# Altium PCB EVK-NORA-W40.PcbDoc (part 4 of 5)
Units mm, origin at the board's own origin, x right, y up, seen from the top; angles counter-clockwise.
Board outline 100 x 70 mm, 6 copper layers (L1, L2, L3, L4, L5, L6), stack 1.547 mm thick; 404 components, 228 nets, 1172 pads, 1349 vias.
Unrouted connection lines stored in the file: 69.
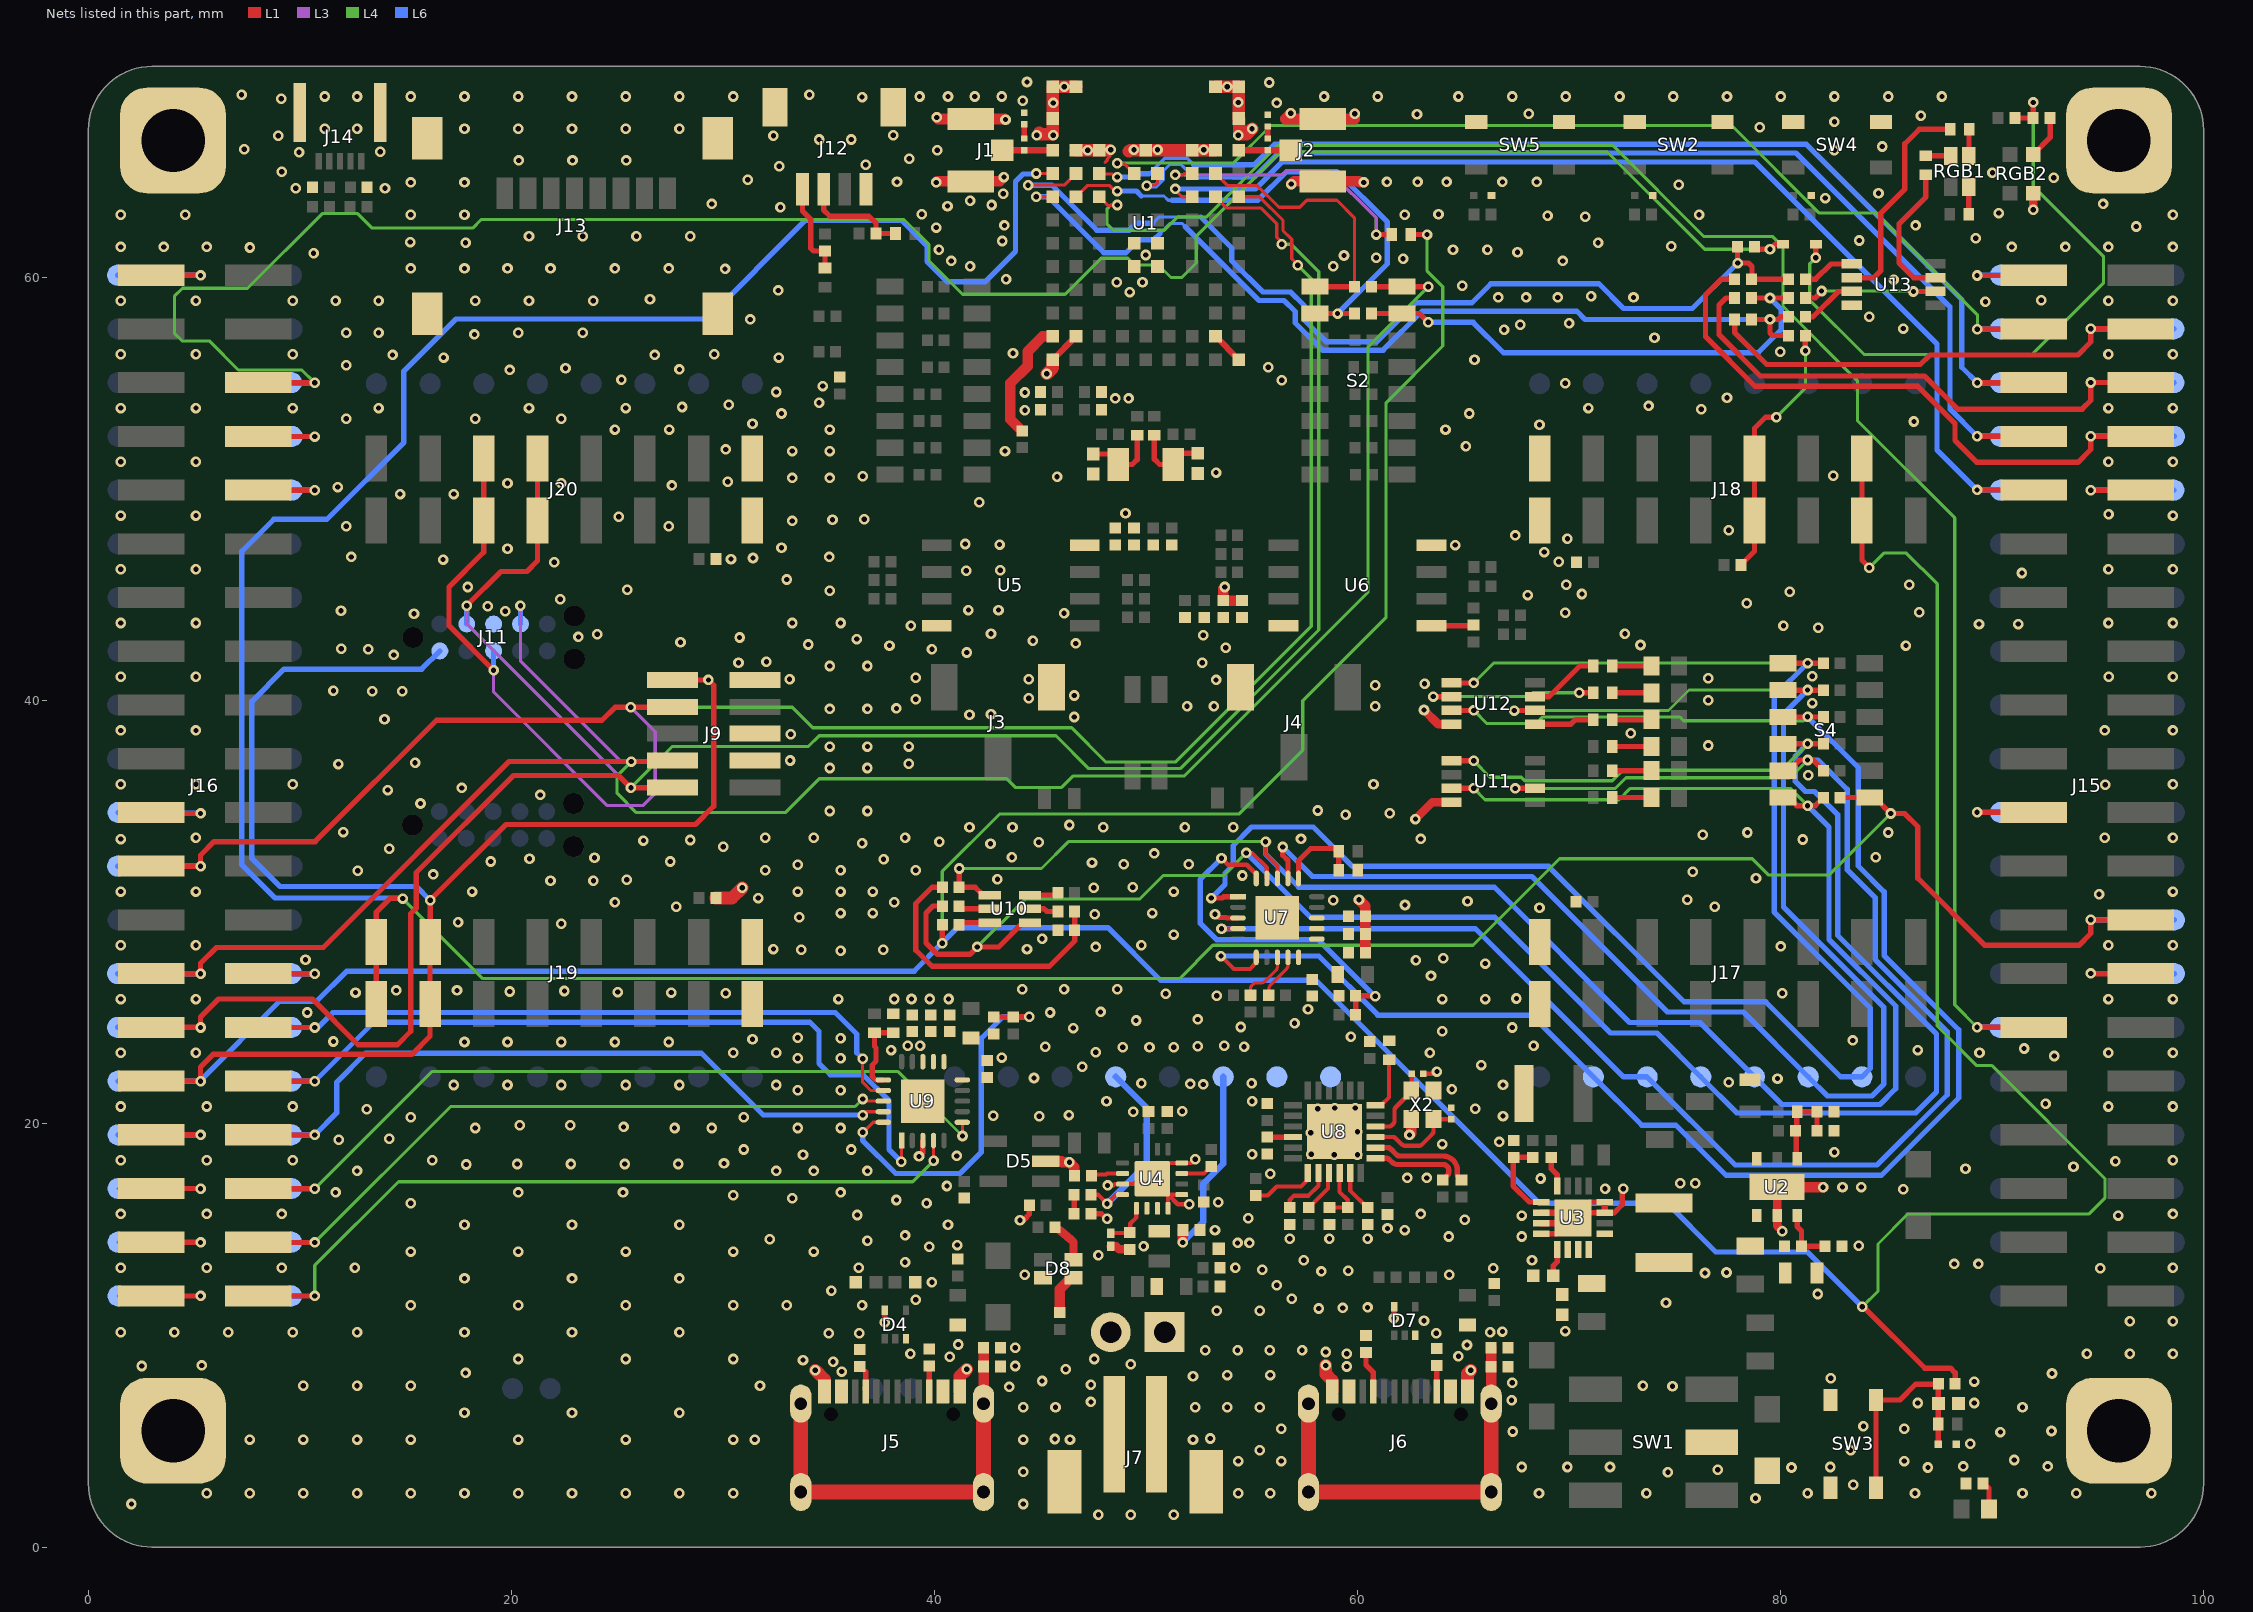
[diagram p8: the nets of this part, all layers, seen from the top]

## Via types
v1: diameter 0.5, hole 0.25, L1 to L6, 1349 vias

## Nets (pads, with @x,y where several pads share a name; then routed paths per layer and width w, separated by ;. In a path a pad name is that pad's centre, name@x,y a point inside that pad or via, vN(x,y) a via of type N, cw(c..) or ccw(c..) an arc to the next point about the centre after c; other vN are vias at no path point) (continued)
GND: C1.2 C2.2 C4.2 C5.2 C6.2 C7.2 C9.1 C10.2 C11.2 C12.2 C13.2 C14.1 C15.1 C16.2 C17.2 C18.2 C19.1 C20.1 C21.2 C22.2 C23.2 C24.1 C25.1 C26.2 C27.1 C28.2 C29.2 C30.1 C31.1 C32.1 C33.1 C34.1 C35.2 C36.2 C37.2 C38.2 C39.2 C40.2 C41.2 C42.2 C43.2 C44.2 C45.2 C46.2 C47.2 C48.2 C49.2 C50.2 C51.2 C52.1 C53.2 C54.1 C55.2 C56.2 D4.3 D5.2 D7.3 D8.3 D9.2 D10.2 D11.2 D12.2 J1.2 J2.2 J3.3 J4.1 J5.A1B12 J5.B1A12 J6.A1B12 J6.B1A12 J7.1 J7.MH1 J8.2 J9.3 J9.5 J9.9 J11.3 J12.1 J12.M1 J12.M2 J13.9 J14.MP J15.1 J15.10 J15.21 J15.28 J16.1 J16.10 J16.21 J16.28 J17.8 J18.8 J19.8 J20.8 L1.2 L2.2 pad.5 R33.1 R34.1 R35.1 R38.1 R39.1 R40.2 R44.1 R46.1 R47.1 R49.2 R51.1 R52.1 R54.1 R102.1 R104.2 R105.1 R107.2 R113.1 R115.2 R144.1 RGB2.2 RT1.2 SW2.3 SW2.4 SW3.3 SW3.4 SW4.3 SW4.4 SW5.3 SW5.4 TP38.1 TP44.1 TP48.1 TP56.1 TP68.1 TP74.1 TP88.1 TP96.1 TP108.1 TP114.1 U1.A1 U1.A9 U1.B2 U1.B8 U1.E4 U1.E5 U1.F4 U1.F5 U1.K2 U1.K3 U1.K5 U1.K7 U1.K8 U1.L1 U1.L9 U1.M1 U1.M2 U1.M8 U1.M9 U2.2 U2.7 U3.6 U3.7 U3.8 U3.15 U3.16 U3.17 U4.4 U4.5 U4.8 U4.15 U4.EPAD U5.4 U6.4 U7.3 U7.13 U7.21 U8.25 U9.3 U9.13 U9.21 U11.4 U12.4 U13.4 X2.2 X2.4 | length 116.3
  L1 w0.15: 48.055,65.465 48.066,65.465 48.166,65.565 48.166,65.627 48.284,65.746 48.284,66.014 v1@48.309,66.039
  L1 w0.2: v1(48.184,17.094) 48.463,17.094 48.529,17.16 U4.15@48.893,17.16 50.043,17.16 U4.EPAD@50.293,17.41 ; U4.4@51.043,16.01 U4.EPAD@51.043,16.66 ; U4.5@51.693,16.66 U4.EPAD@51.043,16.66 ; v1(52.045,16.205) 51.498,16.205 U4.EPAD@51.043,16.66 ; v1(52.324,18.339) 52.145,18.16 U4.8@51.693,18.16 51.043,18.16 U4.EPAD@50.293,17.41 ; C47.2@63.115,22.377 63.652,22.377 v1(63.754,22.479) ; U4.EPAD@50.293,17.41 U4.EPAD@51.043,16.66
  L1 w0.25: J16.1@2.975,60.13 v1@5.123,60.13 ; J16.21@3,34.692 3.008,34.683 5.139,34.683 v1@5.148,34.692 ; J16.28@8.025,27.11 8.033,27.102 v1(10.7,27.102) ; J16.10@8.025,49.97 8.033,49.962 v1(10.7,49.962) ; v1(39.268,18.466) 39.449,18.646 U9.3@39.449,19.216 ; v1(44.044,15.443) 44.221,15.443 44.348,15.57 44.353,15.57 44.353,15.604 44.482,15.732 C56.2@44.482,16.15 ; R54.1@47.406,15.754 47.896,15.754 48.131,15.519 v1(48.158,15.519) ; v1@48.309,66.039 v1(48.336,66.065) ; v1(53.264,29.921) 53.425,29.76 53.786,29.76 53.803,29.743 U7.3@54.348,29.743 ; U3.8@68.688,14.809 69.438,14.809 69.938,15.309 U3.17@70.188,15.559 U3.17@70.438,15.809 ; U3.16@71.688,16.309 70.938,16.309 U3.17@70.438,15.809 ; v1(72.568,16.942) 72.517,16.891 72.517,16.18 72.146,15.809 U3.15@71.688,15.809 U3.17@70.438,15.809 ; v1(89.292,34.738) 91.967,34.738 J15.21@91.975,34.73 ; v1(89.292,60.116) J15.1@91.992,60.116 ; v1@94.852,49.959 J15.10@97,49.959 ; v1@94.877,27.11 J15.28@97.025,27.11
  L1 w0.3: U1.A9@45.59,56.14 U1.B8@46.69,57.24 ; U1.B2@53.29,57.24 U1.A1@54.39,56.14 ; U3.7@68.688,15.309 U3.17@69.938,15.309 ; U3.6@68.688,15.809 69.938,15.809 U3.17@70.188,15.559 ; U3.15@71.688,15.809 U3.16@71.688,16.309
  L1 w0.4: RT1.2@48.339,14.224 48.59,14.224 48.736,14.078 R52.1@49.228,14.078 ; v1(62.738,34.417) 63.541,35.22 U11.4@64.446,35.22 ; v1(63.144,39.573) 63.815,38.903 U12.4@64.446,38.903 ; U2.7@79.835,17.018 U2.2@79.835,15.678 79.835,15.186 v1(80.086,14.935) ; v1(91.948,63.221) RGB2.2@91.948,64.008
  L1 w0.5: v1(40.081,64.516) 40.13,64.565 J1.2@41.708,64.565 43.077,64.565 v1(43.282,64.77) ; v1(40.107,67.589) 40.181,67.515 J1.2@41.708,67.515 43.331,67.515 v1(43.358,67.488) ; D5.2@45.268,18.237 45.999,18.237 46.05,18.186 v1(46.38,18.186) 46.615,17.951 R51.1@46.615,17.551 ; v1(53.721,45.39) 53.648,45.316 C33.1@53.648,44.743 C32.1@54.537,44.743 ; v1(56.845,67.793) 56.589,67.537 56.589,67.515 J2.2@58.347,67.515 59.866,67.515 59.868,67.517 v1(59.868,67.767) ; v1(56.871,64.44) 56.874,64.44 56.999,64.565 J2.2@58.347,64.565 60.071,64.565 60.12,64.516 v1(60.3,64.516) ; v1(60.071,30.607) 60.376,30.302 60.376,29.823 C37.2@60.372,29.82 C36.2@60.372,28.981 C38.2@60.372,28.092 ; v1(62.459,19.482) 62.543,19.566 X2.4@62.543,20.229 ; U2.7@79.835,17.018 79.847,17.006 v1(82.013,17.006)
  L1 w0.6: C54.1@29.661,30.683 30.429,30.683 v1(30.912,31.166) ; v1(34.366,8.357) 34.8,7.923 J5.A1B12@34.8,7.355 ; J5.B1A12@41.2,7.355 41.2,8.078 v1(41.529,8.407) ; v1@44.958,66.853 45.021,66.79 45.59,66.79 U1.L9@45.59,67.54 U1.M9@45.59,69.04 U1.M8@46.69,69.04 ; v1(45.314,55.474) 45.59,55.75 U1.A9@45.59,56.14 ; U1.K8@46.69,66.04 v1(47.24,66.04) U1.K7@47.79,66.04 v1@48.209,66.04 ; v1@49.2,65.989 49.251,66.04 U1.K5@49.99,66.04 U1.K3@52.19,66.04 U1.K2@53.29,66.04 ; U1.M2@53.29,69.04 U1.M1@54.39,69.04 U1.L1@54.39,67.54 54.381,67.531 54.407,67.506 54.407,66.79 54.75,66.79 v1(55.016,67.056) ; v1(58.496,8.585) 58.496,8.179 58.8,7.875 J6.A1B12@58.8,7.355 ; J6.B1A12@65.2,7.355 65.2,8.202 v1(65.354,8.357)
  L6 w0.25: TP108.1@1.375,60.13 1.379,60.126 5.296,60.126 v1(5.3,60.122) ; TP88.1@1.4,34.73 1.423,34.707 5.277,34.707 v1(5.3,34.683) ; TP114.1@9.6,27.11 9.604,27.106 10.696,27.106 v1(10.7,27.102) ; TP96.1@9.625,49.97 9.629,49.966 10.696,49.966 v1(10.7,49.962) ; v1(89.292,60.116) 89.299,60.123 90.393,60.123 TP48.1@90.4,60.13 ; v1(94.666,27.118) 94.67,27.114 98.621,27.114 TP74.1@98.625,27.11 ; v1(94.666,49.968) 94.667,49.969 98.599,49.969 TP56.1@98.6,49.97
  other v1: 47.752,1.524 49.276,1.524 51.308,1.524 2.032,2.032 44.196,2.032 78.816,2.311 5.588,2.54 7.62,2.54 10.16,2.54 12.7,2.54 15.24,2.54 17.78,2.54 20.32,2.54 22.86,2.54 25.4,2.54 27.94,2.54 30.48,2.54 54.356,2.54 55.88,2.54 68.58,2.54 73.66,2.54 81.28,2.54 86.36,2.54 91.44,2.54 93.98,2.54 97.536,2.54 83.439,2.946 74.676,3.531 44.196,3.556 77.038,3.658 80.518,3.759 86.97,3.759 67.767,3.785 69.926,3.785 71.938,3.784 82.347,3.785 88.646,3.81 92.634,3.81 54.356,4.064 56.388,4.064 85.852,4.064 91.05,4.115 55.372,4.572 83.312,4.572 88.976,4.877 7.62,5.08 10.16,5.08 12.7,5.08 15.24,5.08 20.32,5.08 25.4,5.08 30.48,5.08 31.496,5.08 44.196,5.08 46.406,5.08 52.222,5.08 45.695,5.105 53.035,5.131 90.399,5.436 67.335,5.461 92.812,5.486 56.388,5.588 85.852,5.588 83.922,5.715 17.78,6.35 22.86,6.35 27.94,6.35 44.196,6.604 45.72,6.604 52.324,6.604 53.848,6.604 55.372,6.604 91.44,6.604 86.487,6.807 89.154,6.807 47.396,6.858 67.285,6.934 43.536,7.569 74.893,7.603 10.16,7.62 12.7,7.62 15.24,7.62 31.75,7.62 73.494,7.62 47.396,7.671 67.31,7.772 89.154,7.823 45.085,7.849 82.372,7.976 52.222,8.077 53.848,8.128 55.88,8.128 92.837,8.204 17.831,8.23 46.203,8.407 2.515,8.56 43.815,8.56 5.359,8.585 49.276,8.636 33.782,8.839 20.32,8.89 25.4,8.89 30.48,8.89 47.549,8.89 38.862,9.144 94.488,9.144 96.52,9.144 98.552,9.144 58.496,9.22 52.807,9.296 54.331,9.296 55.855,9.296 57.379,9.296 43.815,9.423 35.001,10.109 36.449,10.109 63.729,10.109 1.524,10.16 4.064,10.16 6.604,10.16 9.652,10.16 12.7,10.16 17.78,10.16 22.86,10.16 27.94,10.16 66.269,10.16 66.853,10.185 69.825,10.211 96.52,10.668 98.552,10.668 63.144,10.693 53.34,11.176 55.372,11.176 58.166,11.278 59.309,11.303 60.477,11.328 15.24,11.43 20.32,11.43 25.4,11.43 30.48,11.43 33.02,11.43 36.576,11.43 74.586,11.545 39.116,11.684 56.896,11.735 81.763,11.963 35.128,12.116 56.185,12.37 39.878,12.522 17.78,12.7 22.86,12.7 27.94,12.7 44.272,12.878 64.338,12.878 76.429,12.954 77.445,12.979 58.293,13.03 59.563,13.056 55.499,13.106 66.421,13.183 95.123,13.183 1.524,13.208 5.588,13.208 9.144,13.208 12.598,13.208 36.424,13.208 54.229,13.208 98.552,13.208 88.214,13.386 89.357,13.386 38.608,13.462 57.455,13.564 68.25,13.564 47.752,13.792 15.24,13.97 20.32,13.97 25.4,13.97 30.48,13.97 34.29,13.97 39.751,14.199 49.886,14.224 83.693,14.249 41.072,14.275 54.331,14.376 54.889,14.376 36.83,14.478 32.207,14.554 56.797,14.58 58.674,14.58 60.477,14.58 64.313,14.681 67.767,14.681 38.608,14.732 53.264,14.986 62.23,14.986 61.417,15.062 17.78,15.24 22.86,15.24 27.94,15.24 40.64,15.24 65.075,15.469 54.839,15.545 67.767,15.672 95.961,15.672 36.347,15.697 1.524,15.748 5.588,15.748 9.144,15.748 62.992,15.748 98.552,15.748 15.24,16.256 39.624,16.256 53.416,16.307 38.202,16.408 33.274,16.485 30.48,16.637 11.684,16.764 20.32,16.764 25.273,16.764 35.56,16.764 85.801,16.916 71.704,16.942 82.931,17.018 83.82,17.018 40.589,17.069 75.26,17.196 75.971,17.196 68.656,17.424 62.357,17.45 63.271,17.45 55.88,17.653 12.7,17.78 32.512,17.78 34.29,17.78 36.83,17.78 88.748,17.882 93.853,17.983 17.856,18.085 20.269,18.11 22.809,18.11 25.349,18.11 27.889,18.11 30.048,18.136 95.834,18.237 1.524,18.288 5.588,18.288 9.652,18.288 16.256,18.288 98.552,18.288 41.046,18.491 33.782,18.542 58.903,18.542 59.995,18.542 55.016,18.567 57.81,18.567 82.55,18.669 30.988,18.796 36.068,18.796 64.008,19.05 66.7,19.152 11.836,19.253 14.224,19.304 57.785,19.583 59.995,19.634 18.288,19.812 27.711,19.812 29.464,19.812 33.528,19.812 35.56,19.812 25.298,19.863 20.396,19.939 22.784,19.939 15.24,20.32 30.988,20.32 44.958,20.371 66.881,20.373 42.774,20.396 46.355,20.422 49.403,20.574 51.714,20.599 13.157,20.701 58.115,20.726 65.56,20.727 58.928,20.752 59.893,20.752 1.524,20.828 5.588,20.828 9.652,20.828 95.504,20.828 98.552,20.828 92.532,20.955 48.133,21.082 55.016,21.082 33.528,21.59 35.56,21.59 64.465,21.641 17.272,21.844 19.812,21.844 22.352,21.844 25.4,21.844 27.94,21.844 32.512,21.844 66.881,21.846 52.705,21.869 52.095,21.895 49.784,21.92 54.991,21.92 77.546,21.971 79.858,22.149 44.704,22.174 46.99,22.708 65.855,22.787 33.528,23.114 35.56,23.114 43.18,23.139 92.939,23.216 1.524,23.368 5.08,23.368 30.48,23.368 32.512,23.368 63.424,23.368 89.408,23.368 95.504,23.368 98.552,23.368 47.625,23.393 37.948,23.495 86.487,23.495 91.516,23.571 48.895,23.622 50.165,23.622 51.308,23.622 45.237,23.647 54.635,23.647 52.451,23.673 38.735,23.698 39.319,23.698 53.696,23.698 68.326,23.698 17.78,23.876 19.812,23.876 22.352,23.876 24.892,23.876 27.432,23.876 11.582,23.901 83.414,23.952 31.394,24.003 35.56,24.054 33.528,24.079 59.69,24.13 64.008,24.384 46.558,24.536 67.31,24.562 54.483,24.587 57.023,24.765 49.53,24.892 52.451,24.943 10.338,25.273 45.466,25.273 47.854,25.298 57.658,25.425 1.524,25.908 5.08,25.908 35.458,25.908 38.1,25.91 38.913,25.91 39.776,25.91 40.665,25.91 64.008,25.908 66.04,25.908 95.504,25.908 98.552,25.908 67.513,25.933 53.34,26.06 50.927,26.162 30.124,26.187 80.086,26.187 12.624,26.213 27.559,26.213 25.019,26.238 19.914,26.264 22.504,26.289 14.554,26.314 17.424,26.314 44.145,26.365 46.126,26.365 48.641,26.365 63.475,27 66.04,27.584 62.763,27.737 10.262,27.762 64.059,27.838 35.56,28.194 33.706,28.245 37.58,28.235 32.385,28.27 44.374,28.27 47.625,28.372 80.01,28.397 1.524,28.448 5.08,28.448 49.784,28.448 95.504,28.448 98.552,28.448 45.085,28.753 51.308,28.956 22.352,29.464 17.475,29.54 33.604,29.769 47.574,29.921 35.56,29.972 37.084,29.972 50.292,29.972 68.605,30.226 27.788,30.277 76.886,30.277 62.245,30.354 24.892,30.48 38.1,30.48 65.202,30.531 58.852,30.582 75.59,30.607 31.674,30.683 95.063,30.861 1.524,30.988 5.08,30.988 18.136,30.988 33.528,30.988 35.56,30.988 37.084,30.988 51.308,30.988 98.552,30.988 47.523,31.166 49.378,31.191 21.844,31.496 23.876,31.496 25.451,31.547 42.977,31.572 78.842,31.623 54.559,31.75 16.307,31.801 75.844,31.928 12.725,31.979 32.004,32.004 35.56,32.004 39.116,32.004 33.528,32.258 48.946,32.283 52.019,32.283 47.447,32.36 19.025,32.41 27.508,32.41 37.592,32.512 20.853,32.537 23.927,32.588 43.663,32.614 84.506,32.614 50.394,32.791 14.224,33.02 30.011,33.111 42.647,33.249 36.576,33.274 44.933,33.325 40.234,33.35 26.238,33.401 28.448,33.426 81.051,33.452 1.531,33.472 57.328,33.477 62.992,33.477 5.08,33.528 32.004,33.528 34.29,33.528 38.608,33.528 95.323,33.528 98.552,33.528 76.327,33.68 78.435,33.782 85.09,33.782 12.049,33.803 41.656,34.036 43.688,34.036 47.981,34.036 51.841,34.036 54.127,34.036 46.38,34.138 59.436,34.62 61.519,34.696 35.052,34.798 36.83,34.798 58.115,34.823 15.697,35.154 21.361,35.56 14.148,35.789 17.653,35.89 95.352,36.043 1.524,36.068 5.08,36.068 9.652,36.068 60.757,36.068 98.552,36.068 81.305,36.486 35.052,36.83 36.83,36.83 11.818,37.018 38.786,37.033 15.443,37.084 33.172,37.186 35.052,37.846 36.83,37.846 38.786,37.846 76.581,37.897 33.198,38.43 72.925,38.475 1.524,38.608 5.08,38.608 95.325,38.608 98.552,38.608 13.995,39.141 46.609,39.243 41.656,39.345 42.672,39.37 35.052,39.624 36.83,39.624 38.202,39.649 51.943,39.751 53.213,39.751 60.833,39.751 81.5,39.9 76.581,40.03 39.116,40.081 44.45,40.132 46.609,40.259 13.411,40.462 14.834,40.462 11.582,40.488 60.833,40.742 63.17,40.818 53.315,40.996 33.147,41.021 44.45,41.021 76.581,41.072 39.116,41.097 1.524,41.148 5.08,41.148 95.512,41.148 98.552,41.148 81.5,41.175 35.052,41.656 36.83,41.656 30.734,41.808 52.654,41.808 32.055,41.859 14.436,42.177 41.529,42.291 13.233,42.443 39.878,42.443 11.953,42.466 53.772,42.52 37.871,42.621 85.928,42.621 73.381,42.647 34.036,42.672 46.685,42.723 27.991,42.774 44.653,42.85 36.322,42.926 30.785,43.002 23.165,43.028 52.705,43.104 24.054,43.155 42.672,43.18 72.644,43.18 81.788,43.459 38.887,43.561 80.137,43.561 89.383,43.637 91.237,43.637 1.524,43.688 5.08,43.688 33.274,43.688 35.56,43.688 95.504,43.688 98.552,43.688 15.392,44.12 46.126,44.145 69.825,44.171 86.563,44.196 19.71,44.247 11.938,44.272 41.605,44.298 43.028,44.298 18.872,44.475 78.41,44.628 22.301,44.806 68.047,45.009 70.612,45.06 80.442,45.161 35.052,45.212 25.476,45.263 17.932,45.39 69.875,45.491 86.081,45.491 33.02,45.745 91.415,46.05 41.504,46.152 43.104,46.177 1.524,46.228 5.08,46.228 95.504,46.228 98.552,46.228 22.022,46.558 69.52,46.584 16.764,46.685 30.378,46.711 31.42,46.761 12.421,46.812 35.027,46.812 68.834,47.041 19.812,47.193 32.766,47.244 64.616,47.371 43.078,47.396 41.453,47.422 69.926,47.676 67.462,47.828 77.546,48.074 12.192,48.26 27.432,48.26 33.274,48.514 35.179,48.565 36.678,48.59 25.07,48.717 1.524,48.768 5.08,48.768 98.552,48.768 95.511,48.823 49.03,48.87 42.113,49.403 14.732,49.784 17.272,49.784 11.786,50.114 27.584,50.19 19.812,50.292 22.352,50.292 30.226,50.368 33.274,50.546 35.052,50.546 45.796,50.597 36.601,50.622 82.499,50.648 53.315,50.8 1.524,51.308 5.08,51.308 95.504,51.308 98.552,51.308 33.274,51.816 35.052,51.816 43.332,51.816 30.124,51.892 65.126,52.045 24.892,52.832 27.457,52.832 35.052,52.832 64.16,52.832 68.605,53.061 31.394,53.111 86.309,53.213 12.192,53.34 18.288,53.34 22.352,53.34 32.766,53.594 65.278,53.594 44.275,53.749 76.251,53.797 1.524,53.848 5.08,53.848 9.652,53.848 13.716,53.848 20.828,53.848 25.4,53.848 70.917,53.848 95.504,53.848 98.552,53.848 28.067,53.899 73.762,53.95 30.277,54 34.544,54.102 48.539,54.305 49.174,54.305 77.47,54.331 44.275,54.587 32.512,54.61 34.722,54.889 69.825,55.016 56.413,55.169 25.197,55.194 19.914,55.651 27.94,55.677 22.555,55.728 55.778,55.778 12.192,55.88 65.532,56.134 16.789,56.236 32.639,56.236 14.376,56.363 26.772,56.363 1.524,56.388 5.08,56.388 9.652,56.388 29.591,56.388 95.504,56.388 98.552,56.388 43.713,56.439 79.985,56.515 74.041,57.175 18.247,57.332 12.192,57.404 13.716,57.404 20.32,57.404 23.368,57.404 66.929,57.556 85.801,57.607 67.691,57.785 70.002,57.861 31.293,58.039 84.201,58.166 89.687,58.877 1.524,58.928 5.08,58.928 9.652,58.928 11.684,58.928 13.716,58.928 18.288,58.928 20.828,58.928 23.869,58.923 95.504,58.928 98.552,58.928 92.329,58.953 26.549,59 66.65,59.08 67.97,59.08 69.469,59.08 73.05,59.08 71.044,59.131 49.225,59.334 32.614,59.411 64.948,59.639 48.616,59.792 49.835,59.792 85.344,59.919 43.383,59.944 30.099,60.427 15.24,60.452 17.78,60.452 19.812,60.452 21.844,60.452 24.892,60.452 27.432,60.452 41.681,60.554 58.852,60.554 40.792,60.808 69.698,60.808 62.154,60.909 60.884,60.96 59.36,61.062 49.987,61.087 10.643,61.163 67.564,61.214 40.208,61.341 64.516,61.341 66.142,61.341 7.633,61.441 1.524,61.468 3.556,61.468 5.588,61.468 90.932,61.468 93.472,61.468 95.504,61.468 98.552,61.468 74.828,61.493 17.831,61.671 71.374,61.671 15.215,61.697 43.205,61.747 83.718,61.773 89.23,61.874 20.828,61.976 23.368,61.976 25.908,61.976 28.448,61.976 40.081,62.382 96.825,62.433 43.307,62.484 86.385,62.484 70.764,62.89 68.986,62.941 1.524,62.992 4.572,62.992 15.24,62.992 17.78,62.992 62.23,62.992 76.149,62.992 98.552,62.992 39.395,63.017 63.83,63.017 90.322,63.068 32.715,63.348 40.615,63.398 42.697,63.449 29.464,63.5 95.25,63.5 41.681,63.652 82.118,63.779 43.256,63.983 84.633,64.008 9.804,64.237 14.021,64.237 75.184,64.414 15.24,64.516 17.78,64.516 38.227,64.541 61.392,64.541 62.84,64.541 64.211,64.541 66.853,64.541 68.478,64.541 31.166,64.643 92.913,64.745 90.018,64.973 9.144,65.024 32.664,65.278 36.754,65.354 20.345,65.557 22.885,65.557 25.425,65.557 38.811,65.634 9.957,65.938 13.792,65.964 40.132,66.04 82.55,66.04 49.428,66.065 50.546,66.065 52.73,66.065 7.366,66.091 84.811,66.218 34.544,66.548 36.068,66.548 8.966,66.726 32.385,66.726 38.049,66.751 44.831,66.751 45.618,66.751 54.356,66.751 11.176,67.056 12.7,67.056 17.78,67.056 20.32,67.056 22.86,67.056 25.4,67.056 27.94,67.056 79.019,67.132 82.55,67.386 86.639,67.666 62.814,67.742 68.097,67.767 45.618,68.275 56.185,68.275 54.356,68.301 44.171,68.377 9.119,68.478 36.576,68.555 11.176,68.58 12.7,68.58 15.24,68.58 17.78,68.58 20.32,68.58 22.86,68.58 25.4,68.58 27.94,68.58 30.48,68.58 39.294,68.58 40.64,68.58 41.91,68.58 43.18,68.58 58.42,68.58 60.96,68.58 64.77,68.58 67.31,68.58 69.85,68.58 72.39,68.58 74.93,68.58 77.47,68.58 80.01,68.58 82.55,68.58 85.09,68.58 87.63,68.58 7.239,68.656 34.087,68.656 46.14,69.04 53.84,69.04 55.829,69.24 44.374,69.266
GREEN: R139.1 U13.2 | length 10.4
  L1 w0.25: U13.2@83.369,60.015 84.424,60.015 84.734,60.325 84.734,63.057 85.877,64.2 85.877,66.345 86.563,67.031 R139.1@88.021,67.031
H1/IO5/JT_TDI: J9.8 J11.8 J16.23 J20.3 TP106.1 U1.H1 | length 118.4
  L1 w0.15: U1.H1@54.39,63.84 55.362,63.84 56.479,62.723 56.479,62.241 56.892,61.827 56.892,60.9 57.175,60.617 v1(57.175,60.604)
  L1 w0.25: J16.23@2.975,32.19 2.983,32.182 v1(5.3,32.182) 5.3,32.707 5.944,33.35 10.719,33.35 16.459,39.091 24.282,39.091 24.893,39.701 v1(25.64,39.701) ; J20.3@18.69,51.465 J20.3@18.69,48.535 18.69,47.036 17.043,45.39 17.043,43.561 v1(19.152,41.453) ; v1@25.649,39.701 27.594,39.701 J9.8@27.618,39.726
  L3 w0.15: v1(19.152,41.453) 19.152,40.437 24.536,35.052 26.213,35.052 26.797,35.636 26.797,38.544 v1(25.64,39.701)
  L4 w0.15: v1(25.64,39.701) 33.273,39.701 34.239,38.735 46.482,38.735 48.108,37.109 51.384,37.109 57.81,43.536 57.81,59.969 v1(57.175,60.604)
  L6 w0.25: TP106.1@1.375,32.19 1.379,32.186 5.296,32.186 v1(5.3,32.182) ; v1(19.152,41.453) 19.153,41.454 19.153,42.366 J11.8@19.154,42.367
H2/IO4/JT_TMS/SWD_IO: J9.2 J11.2 J16.29 J20.4 TP112.1 U1.H2 | length 122.4
  L1 w0.15: U1.H2@53.29,63.84 53.825,63.305 55.44,63.305 56.179,62.566 56.179,61.918 56.413,61.684 v1(56.413,61.595)
  L1 w0.25: J16.29@2.975,24.57 v1@5.123,24.57 ; v1@5.131,24.562 v1@5.258,24.562 ; v1(5.3,24.562) 5.3,25.061 6.147,25.908 10.592,25.908 12.751,23.749 14.605,23.749 15.24,24.384 15.24,29.947 15.494,30.201 15.494,31.877 20.091,36.474 25.063,36.474 v1(25.646,35.891) ; v1(17.882,44.501) 19.507,46.126 20.726,46.126 21.23,46.63 J20.4@21.23,48.535 J20.4@21.23,51.465 ; v1@25.671,35.891 27.594,35.891 J9.2@27.618,35.916
  L3 w0.15: v1(17.882,44.501) 17.882,43.656 v1(25.646,35.891)
  L4 w0.15: v1(25.646,35.891) 27.601,37.846 34.036,37.846 34.544,38.354 45.745,38.354 47.295,36.805 51.613,36.805 58.166,43.358 58.166,60.3 56.871,61.595 v1(56.413,61.595)
  L6 w0.25: TP112.1@1.375,24.57 1.379,24.566 5.296,24.566 v1(5.3,24.562) ; v1(17.882,44.501) 17.883,44.499 J11.2@17.884,43.637 J11.2@17.884,43.637
H3/RMII_TXEN: J15.9 TP53.1 U1.H3 | length 52.6
  L1 w0.15: v1(51.384,64.211) 51.384,64.161 51.705,63.84 U1.H3@52.19,63.84
  L1 w0.25: v1(89.292,49.978) 91.967,49.978 J15.9@91.975,49.97
  L6 w0.25: v1(51.384,64.211) 55.169,64.211 56.439,65.481 78.791,65.481 87.401,56.871 87.401,51.869 89.296,49.974 90.396,49.974 TP53.1@90.4,49.97
H7_O: J15.29 TP72.1 U1.H7 | length 82.5
  L1 w0.15: U1.H7@47.79,63.84 48.206,63.424 48.616,63.424 v1(48.641,63.449)
  L1 w0.25: v1(89.292,24.578) 91.967,24.578 J15.29@91.975,24.57
  L4 w0.15: v1(48.641,63.449) 48.336,63.449 48.162,63.275 48.162,62.54 48.443,62.259 50.854,62.259 51.474,62.879 52.851,62.879 56.241,66.269 72.06,66.269 76.36,61.968 79.611,61.968 80.112,61.468 80.112,58.674 83.636,55.15 83.636,53.262 88.24,48.658 88.24,25.631 v1(89.292,24.578)